# KiCad board yddraig68k.kicad_pcb (continued)
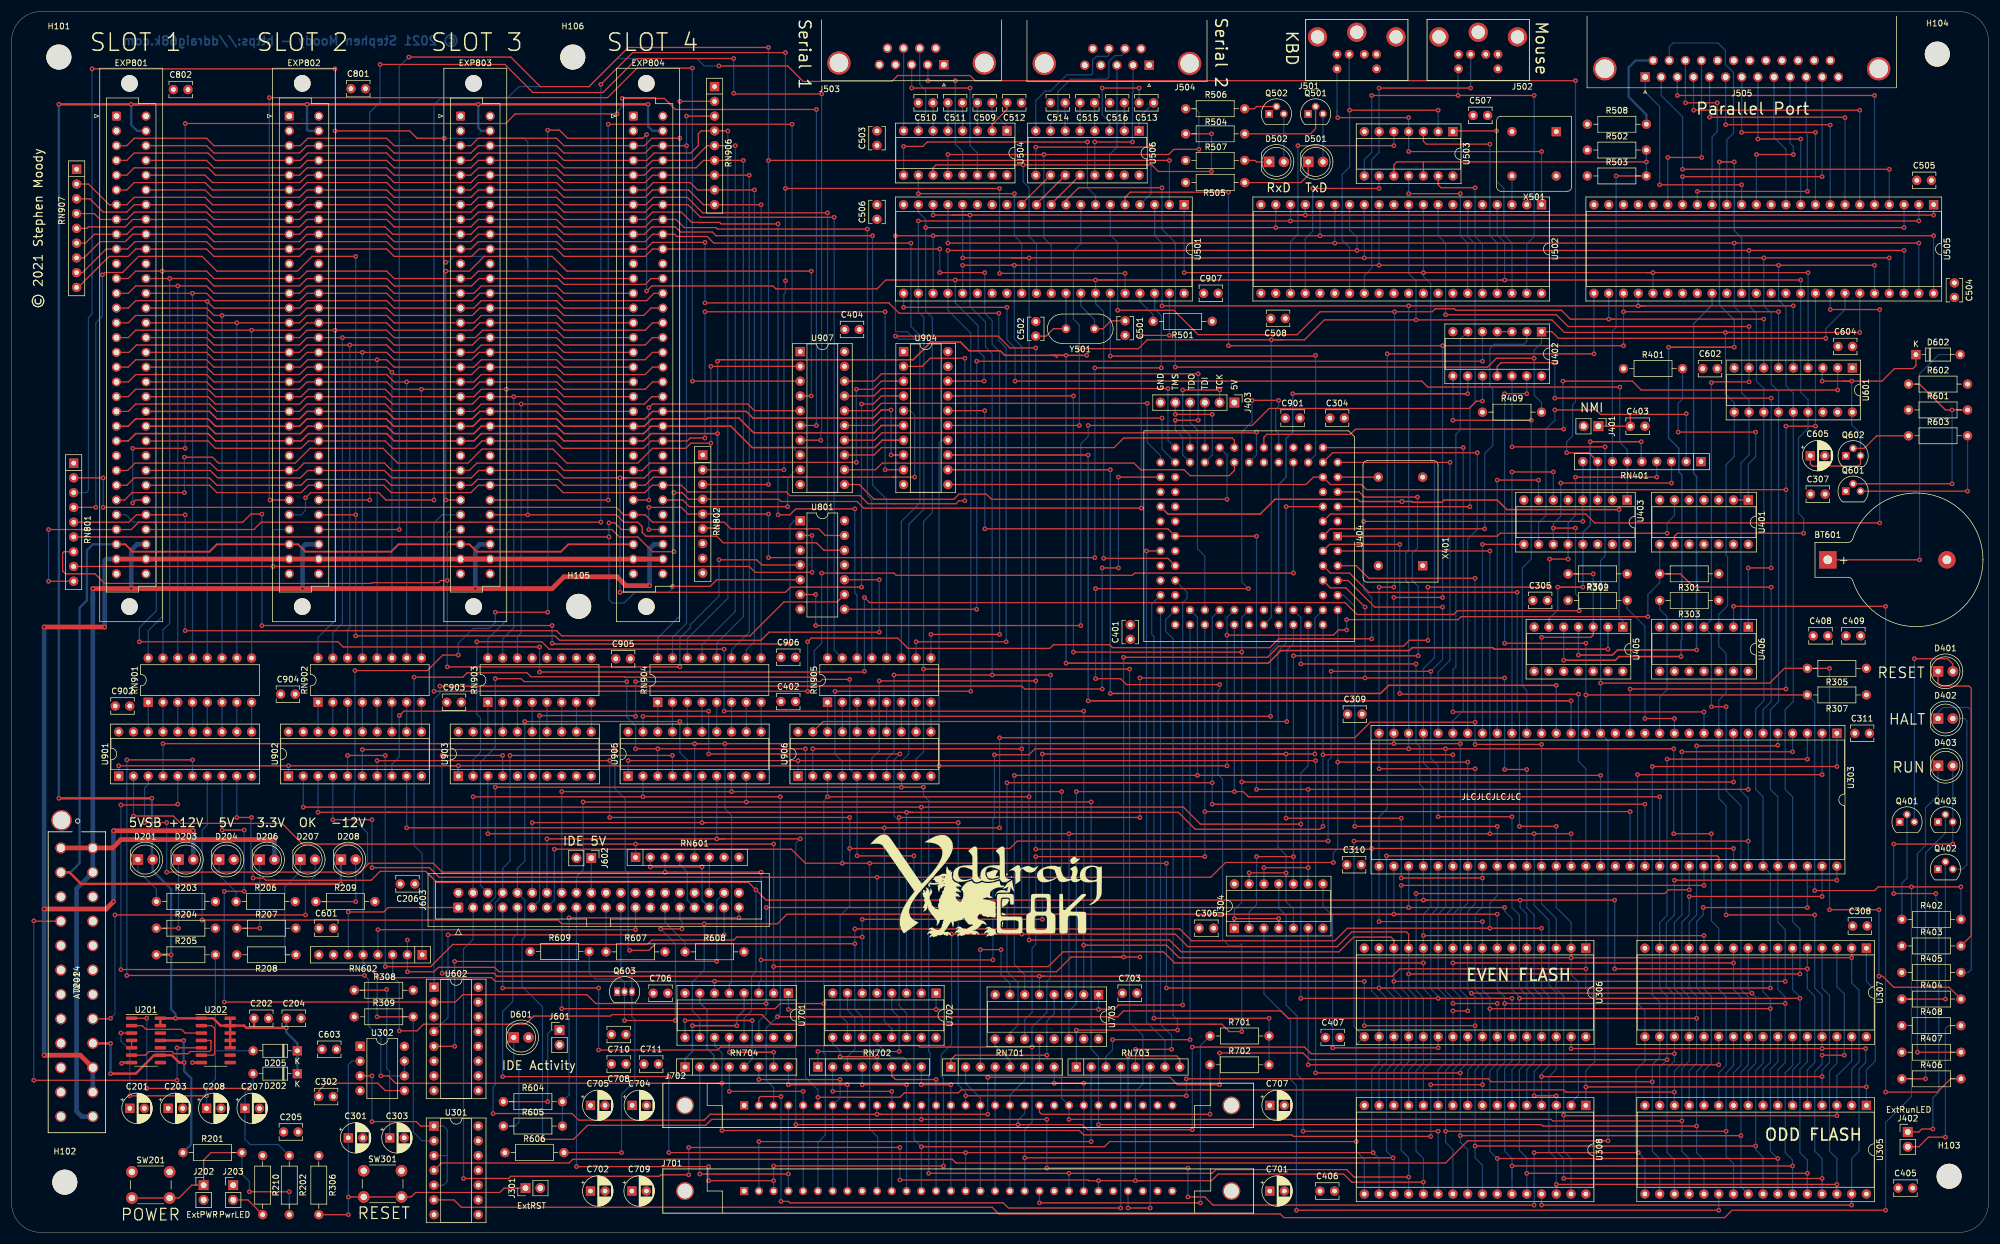
[diagram p0: board, top side]
## Nets (continued)
Net-(U502-Pad36): U502.36 U503.13
Net-(U502-Pad37): U502.37 U503.3
Net-(U502-Pad38): U502.38 U503.1
Net-(U505-Pad20): U505.20
Net-(U505-Pad21): U505.21
Net-(U505-Pad22): U505.22
Net-(U505-Pad23): U505.23
Net-(U505-Pad24): U505.24
Net-(U505-Pad30): U505.30
Net-(U505-Pad31): U505.31
Net-(U505-Pad32): U505.32
Net-(U505-Pad34): U505.34
Net-(U505-Pad36): U505.36
Net-(U505-Pad37): U505.37
Net-(U601-Pad1): U601.1
Net-(U601-Pad16): U601.16
Net-(U601-Pad17): U601.17
Net-(U602-Pad6): U602.6
Net-(U602-Pad7): U602.7
Net-(U602-Pad9): U602.9
Net-(U602-Pad10): U602.10
Net-(U602-Pad11): U602.11
Net-(U602-Pad12): U602.12
Net-(X401-Pad1): X401.1

Pads without a net: J201 25; J701 31 32; J702 31 32; U801 3 11

## Via types
v1: diameter 0.8, hole 0.4, Top to Bottom, 1046 vias

## Routing (per net, layer and track width the routed paths; a pad name or vN(x,y) marks a point on that pad's centre or on a via; arc(x,y) is an arc through that point)
+3V3: length 271.3
  Top w0.8: J201.13 J201.1 17.36,66.13 18.8,67.56 v1(45.21,67.56) ; v1(13.97,110.74) v1(20.57,110.74) v1(50.04,110.74) v1(79.76,110.74) 92.96,110.74 95,112.78 104.14,112.78 105.66,111.25 v1(109.73,111.25)
  Bottom w0.8: v1(20.57,110.74) 20.57,117.35 21.59,118.36 EXP801.C30 ; EXP802.C30 50.55,118.36 50.04,117.86 v1(50.04,110.74) ; v1(79.76,110.74) 79.76,117.6 80.52,118.36 EXP803.C30 ; 13.97,108.71 13.97,109.47 ; 13.97,108.71 J201.1 J201.2 11.18,59.14 11.18,20.83 12.07,19.93 J201.12 ; 13.97,108.71 v1(13.97,110.74) ; EXP804.C30 110.49,118.36 109.73,117.6 v1(109.73,111.25) ; v1(45.21,67.56) D206.2
+5V_SB: length 393.9
  Top w0.4: 41.78,35.18 41.7,35.27 C202.1 ; 41.78,35.18 v1(47.24,35.18) ; 41.78,35.18 40.39,35.18 40.01,35.56 U202.13 ; U202.13 U202.12 U202.11 U202.10 ; U202.13 U202.14 ; U202.13 35.94,35.56 34.67,36.83 U202.1 v1(28.19,36.83) U201.14 U201.13 ; v1(17.02,27.31) 21.34,27.31 24.51,30.48 U201.9 27.55,30.48 28.82,29.21 v1(29.69,29.21) ; J201.9 13.99,32.51 v1(17.02,32.51) ; 21.84,194.06 v1(50.8,194.06) v1(80.26,194.06) v1(109.47,194.06) ; 21.84,194.06 v1(8.13,194.06) ; 21.84,194.06 v1(20.57,194.06) ; R205.1 v1(27.43,47.75) ; v1(8.13,74.68) v1(24.13,74.68) ; U201.11 v1(29.59,33.02)
  Bottom w0.4: C204.1 47.24,36.79 v1(47.24,35.18) 47.24,34.42 49.15,32.51 D205.1 D202.1 ; EXP801.C2 21.59,189.48 20.57,190.5 v1(20.57,194.06) ; v1(29.59,33.02) 29.59,29.31 v1(29.69,29.21) 29.69,27.71 30.9,26.5 30.9,15.15 R201.1 ; v1(17.02,27.31) v1(17.02,32.51) ; EXP803.C2 80.77,189.48 80.26,189.99 v1(80.26,194.06) ; v1(8.13,194.06) v1(8.13,74.68) ; v1(24.13,74.68) 24.13,64.26 D201.2 24.26,62.23 27.43,59.06 27.43,38.35 28.19,37.59 v1(28.19,36.83) ; EXP804.C2 110.24,189.48 109.47,190.25 v1(109.47,194.06) ; EXP802.C2 51.05,189.48 50.8,189.74 v1(50.8,194.06)
+12V: length 255.5
  Top w0.8: v1(5.59,30.48) 11.82,30.48 J201.10 ; v1(5.59,104.14) v1(16,104.14) ; EXP803.C31 EXP803.A31 ; EXP803.A31 EXP802.C31 EXP802.A31 EXP801.C31 EXP801.A31 ; EXP803.A31 108.97,115.82 ; v1(5.59,55.63) 16.26,55.63 v1(17.53,56.9) ; v1(31.24,69.09) v1(17.53,69.09) ; 108.97,115.82 EXP804.C31 ; 108.97,115.82 EXP804.A31
  Bottom w0.8: v1(16,104.14) 16,115.57 16.26,115.82 EXP801.A31 ; v1(5.59,30.48) v1(5.59,55.63) v1(5.59,104.14) ; v1(17.53,69.09) v1(17.53,56.9) ; D203.2 v1(31.24,69.09) ; J201.11 J201.10
-12V: length 209
  Top w0.3: EXP801.A30 19.56,118.36 20.83,117.09 34.04,117.09 35.31,118.36 EXP802.A30 49.28,118.36 50.55,117.09 65.28,117.09 66.55,118.36 EXP803.A30 78.74,118.36 80.01,117.09 94.49,117.09 95.76,118.36 EXP804.A30
  Top w0.4: v1(56.64,59.94) 11.94,59.94 9.95,61.93 J201.14
  Bottom w0.4: v1(56.64,59.94) D208.1 ; J201.14 10.11,61.93 11.68,63.5 11.68,107.44 12.95,108.71 12.95,117.35 13.97,118.36 EXP801.A30
GND: length 3.3
  Top w0.4: v1(18.92,29.08) 19.05,29.21 U201.7 ; U202.7 31.11,29.21 v1(31.1,29.2)
/CPU, RAM and ROM/A1: length 638.7
  Top w0.203: v1(131.06,66.8) v1(107.31,66.8) 50.04,66.8 46.48,70.36 29.08,70.36 27.81,71.63 v1(20.95,71.63) ; v1(131.06,45.72) 178.31,45.72 180.85,48.26 197.36,48.26 ; 281.31,165.1 v1(282.32,165.1) ; 281.31,165.1 v1(308.99,165.1) ; 281.31,165.1 v1(242.82,165.1) v1(201.68,165.1) ; v1(291.08,51.05) v1(242.82,51.05) ; v1(242.82,46.35) 200.02,46.35 198.12,48.26 197.36,48.26 ; 197.36,48.26 197.74,48.26
  Bottom w0.203: 242.82,50.42 v1(242.82,51.05) ; 242.82,50.42 U306.12 v1(242.82,46.35) 242.82,41.91 244.09,40.64 244.09,29.21 242.82,27.94 242.82,22.35 ; 242.82,50.42 242.82,54.74 244.09,56.01 244.09,79.5 242.82,80.77 U303.29 242.82,96.96 244.73,98.87 244.73,132.21 244.09,132.84 244.09,163.19 242.82,164.47 v1(242.82,165.1) U502.9 ; v1(282.32,165.1) U505.29 ; v1(308.99,165.1) 308.99,148.84 308.86,148.72 ; v1(131.06,66.8) 131.06,45.21 ; v1(291.08,51.05) U307.12 291.08,41.85 292.35,40.58 292.35,29.08 291.08,27.81 U305.12 ; v1(107.31,66.8) RN601.1 ; v1(201.68,165.1) U501.1 ; U701.2 131.06,45.21 ; 131.06,45.21 v1(131.06,45.72) ; v1(20.95,71.63) U901.2
/CPU, RAM and ROM/A2: length 689.1
  Top w0.203: 280.92,159.38 v1(240.28,159.38) v1(197.87,159.38) ; 280.92,159.38 v1(279.78,159.38) ; 280.92,159.38 v1(306.45,159.38) ; v1(128.91,61.98) v1(112.4,61.98) 74.04,61.98 72.52,63.5 61.47,63.5 59.94,61.98 v1(26.67,61.98) ; v1(169.04,82.17) 175.01,82.17 176.02,83.19 v1(240.28,83.19) v1(246.63,83.19) v1(285.88,83.19) ; v1(168.78,46.86) v1(128.91,46.86) ; v1(285.88,68.58) v1(292.35,68.58) ; v1(26.67,70.49) v1(22.86,70.49)
  Bottom w0.203: v1(169.04,82.17) 169.04,71.37 168.78,71.12 v1(168.78,46.86) ; 245.36,22.35 245.36,27.94 246.63,29.21 246.63,40.64 245.36,41.91 U306.11 245.36,54.74 246.63,56.01 v1(246.63,83.19) ; v1(240.28,83.19) U303.30 240.28,111.63 239.78,112.14 239.78,116.84 240.28,117.35 v1(240.28,159.38) ; RN601.3 v1(112.4,61.98) ; U701.3 128.52,42.93 128.91,43.31 v1(128.91,46.86) v1(128.91,61.98) ; v1(292.35,68.58) 292.35,53.59 293.62,52.32 U307.11 293.62,41.78 294.89,40.51 294.89,28.7 293.62,27.43 U305.11 ; v1(26.67,61.98) v1(26.67,70.49) ; v1(285.88,83.19) v1(285.88,68.58) ; U501.3 196.6,171.45 197.87,170.18 v1(197.87,159.38) ; v1(306.45,159.38) 306.45,148.72 ; U901.3 23.49,77.09 22.86,76.45 v1(22.86,70.49) ; U505.28 v1(279.78,159.38)
/CPU, RAM and ROM/A3: length 670.4
  Top w0.203: v1(296.16,46.35) v1(247.9,46.35) ; 119.63,84.07 v1(122.68,84.07) v1(237.74,84.07) v1(249.17,84.07) ; 119.63,84.07 v1(26.03,84.07) ; 119.63,84.07 v1(117.47,84.07) ; v1(237.74,109.22) v1(246.13,109.22) ; v1(303.91,158.37) v1(277.24,158.37) ; U501.5 191.52,178.05 192.41,178.94 v1(209.3,178.94) ; v1(209.3,152.53) v1(246.13,152.53) v1(277.24,152.53)
  Bottom w0.203: U601.6 v1(303.91,158.37) ; v1(26.03,84.07) U901.4 ; v1(277.24,152.53) v1(277.24,158.37) U505.27 ; 296.16,45.59 U307.10 ; 296.16,45.59 v1(296.16,46.35) ; 296.16,45.59 296.16,41.78 297.43,40.51 297.43,28.7 296.16,27.43 U305.10 ; v1(122.68,84.07) 122.68,72.9 123.83,71.75 123.83,43.05 123.44,42.67 U701.5 ; v1(209.3,152.53) v1(209.3,178.94) ; RN601.5 v1(117.47,84.07) ; v1(246.13,109.22) v1(246.13,152.53) ; v1(249.17,84.07) 249.17,56.01 247.9,54.74 U306.10 v1(247.9,46.35) 247.9,41.78 249.17,40.51 249.17,29.21 247.9,27.94 247.9,22.35 ; v1(237.74,84.07) U303.31 v1(237.74,109.22)
/CPU, RAM and ROM/A4: length 669.3
  Top w0.203: 121.92,43.18 83.19,43.18 82.55,43.81 63.12,43.81 61.72,45.21 v1(18.8,45.21) ; 121.92,43.18 v1(120.9,43.18) ; 121.92,43.18 v1(232.66,43.18) ; v1(274.7,157.1) 275.59,157.1 ; 275.59,157.1 v1(301.37,157.1) ; 275.59,157.1 268.1,157.1 266.57,158.62 248.41,158.62 248.16,158.88 244.86,158.88 244.35,158.37 v1(237.87,158.37) 225.04,158.37 221.11,154.43 204.09,154.43 199.9,158.62 v1(190.25,158.62) ; v1(28.57,73.66) 28.45,73.53 v1(18.8,73.53) ; v1(251.08,41.15) v1(299.34,41.15) ; v1(251.71,79.76) v1(235.2,79.76) ; v1(232.66,35.56) v1(251.71,35.56) ; v1(235.2,111) v1(237.74,111)
  Bottom w0.203: v1(235.2,79.76) U303.32 v1(235.2,111) ; U505.26 v1(274.7,157.1) ; U501.6 188.98,171.58 190.25,170.31 v1(190.25,158.62) ; U307.9 298.7,41.78 v1(299.34,41.15) 299.97,40.51 299.97,29.08 298.7,27.81 U305.9 ; v1(232.66,43.18) v1(232.66,35.56) ; 237.86,149.11 237.86,111.12 v1(237.74,111) ; 237.86,149.11 237.86,158.36 v1(237.87,158.37) ; 237.86,149.11 237.86,149.22 ; 251.71,40.51 250.44,41.78 U306.9 250.44,55.25 251.71,56.51 v1(251.71,79.76) ; 251.71,40.51 v1(251.08,41.15) ; 251.71,40.51 v1(251.71,35.56) 251.71,29.21 250.44,27.94 250.44,22.35 ; U701.6 v1(120.9,43.18) ; v1(301.37,157.1) U601.7 ; v1(18.8,45.21) v1(18.8,73.53) ; v1(28.57,73.66) U901.5
/CPU, RAM and ROM/A5: length 598
  Top w0.203: v1(19.81,81.28) v1(31.12,81.28) ; v1(254.25,38.48) v1(302.51,38.48) ; v1(272.16,151.13) v1(236.6,151.13) ; v1(63.5,26.92) 64.77,26.92 66.04,25.65 v1(122.17,25.65) ; v1(122.17,17.53) 183.64,17.53 184.4,16.76 220.22,16.76 220.47,16.51 v1(244.09,16.51) ; v1(252.98,25.4) v1(244.09,25.4) ; v1(235.2,53.47) v1(252.98,53.47) ; v1(60.71,44.2) v1(19.81,44.2)
  Bottom w0.203: 252.98,22.35 v1(252.98,25.4) 252.98,27.88 254.25,29.15 254.25,37.97 ; v1(235.2,53.47) U303.33 235.2,71.5 236.6,72.9 v1(236.6,151.13) ; 254.25,37.97 v1(254.25,38.48) ; 254.25,37.97 254.25,40.39 252.98,41.66 U306.8 v1(252.98,53.47) ; U505.25 v1(272.16,151.13) ; U701.11 120.9,32.13 122.17,30.86 122.17,25.02 ; 122.17,25.02 v1(122.17,17.53) ; 122.17,25.02 v1(122.17,25.65) ; v1(63.5,26.92) 63.5,33.4 61.34,35.56 61.34,43.56 v1(60.71,44.2) ; v1(19.81,81.28) v1(19.81,44.2) ; U307.8 301.24,41.4 302.51,40.13 v1(302.51,38.48) 302.51,29.27 301.24,28 U305.8 ; v1(31.12,81.28) U901.6 ; v1(244.09,25.4) v1(244.09,16.51)
/CPU, RAM and ROM/A6: length 390.4
  Top w0.203: v1(237.74,54.74) 238.76,54.74 ; 238.76,54.74 v1(255.52,54.74) ; 238.76,54.74 133.35,54.74 131.7,53.09 120.14,53.09 ; 120.14,53.09 94.62,53.09 93.98,53.72 v1(32.77,53.72) ; 120.14,53.09 v1(119.13,53.09) ; v1(256.79,39.37) v1(305.05,39.37)
  Bottom w0.203: U701.10 118.36,36.83 117.09,38.1 117.09,43.05 119.13,45.09 v1(119.13,53.09) ; 256.79,38.86 256.79,29.21 255.52,27.94 255.52,22.35 ; 256.79,38.86 v1(256.79,39.37) ; 256.79,38.86 256.79,40.51 255.52,41.78 U306.7 v1(255.52,54.74) ; U307.7 303.78,41.78 305.05,40.51 v1(305.05,39.37) 305.05,29.21 303.78,27.94 U305.7 ; v1(32.77,53.72) 32.77,69.22 33.65,70.1 U901.7 ; U303.34 v1(237.74,54.74)
/CPU, RAM and ROM/A7: length 410.3
  Top w0.203: v1(259.33,40.26) v1(307.59,40.26) ; 241.05,55.88 v1(129.79,55.88) ; 241.05,55.88 v1(256.79,55.88) ; 241.05,55.88 v1(240.28,55.88) ; v1(36.58,58.67) v1(40.01,58.67) ; v1(36.2,69.22) v1(40.01,69.22) ; v1(36.58,39.62) U602.2 76.33,39.62 77.6,40.89 98.93,40.89 100.46,39.37 v1(129.79,39.37)
  Bottom w0.203: 259.33,39.62 v1(259.33,40.26) ; 259.33,39.62 259.33,29.27 258.06,28 258.06,22.35 ; 259.33,39.62 259.33,40.51 258.06,41.78 U306.6 258.06,53.97 256.79,55.25 v1(256.79,55.88) ; U307.6 306.32,41.78 307.59,40.51 v1(307.59,40.26) 307.59,29.21 306.32,27.94 U305.6 ; U701.14 128.52,36.32 129.79,37.59 v1(129.79,39.37) v1(129.79,55.88) ; v1(36.58,39.62) v1(36.58,58.67) ; v1(40.01,58.67) v1(40.01,69.22) ; v1(36.2,69.22) U901.8 ; U303.35 v1(240.28,55.88)
/CPU, RAM and ROM/A8: length 466.4
  Top w0.203: v1(275.72,57.15) v1(259.46,57.15) 243.59,57.15 ; v1(242.82,57.15) 243.59,57.15 ; 243.59,57.15 129.79,57.15 v1(128.02,58.93) 126.75,60.2 73.15,60.2 72.26,61.09 ; 72.26,61.09 72.01,61.34 ; 72.26,61.09 71.25,62.1 63.37,62.1 61.84,60.57 45.22,60.57 45.21,60.58 43.69,60.58 43.31,60.96 v1(41.53,60.96) ; v1(241.55,97.79) v1(221.74,97.79) ; v1(38.73,71.37) v1(41.28,71.37) ; v1(308.86,45.34) v1(275.72,45.34)
  Bottom w0.203: 308.86,43.81 308.86,41.91 310.13,40.64 310.13,29.21 308.86,27.94 U305.5 ; 308.86,43.81 U307.5 ; 308.86,43.81 v1(308.86,45.34) ; v1(41.28,71.37) 41.15,71.25 41.15,62.1 41.53,61.72 v1(41.53,60.96) ; v1(241.55,97.79) 241.55,84.2 242.19,83.57 242.19,77.09 242.82,76.45 U303.36 v1(242.82,57.15) ; U404.71 221.74,105.79 v1(221.74,97.79) ; v1(128.02,58.93) 128.02,44.83 127.25,44.07 127.25,38.1 125.98,36.83 U701.13 ; U901.9 38.73,71.37 v1(38.73,71.37) ; v1(275.72,45.34) v1(275.72,57.15) ; 260.6,22.35 260.6,28 261.87,29.27 261.87,40.64 260.6,41.91 U306.5 260.6,54.74 259.46,55.88 v1(259.46,57.15)
/CPU, RAM and ROM/A9: length 447.6
  Top w0.203: v1(258.06,11.43) v1(306.32,11.43) ; v1(221.74,70.23) 204.47,70.23 201.55,73.15 v1(156.46,73.15) v1(50.16,73.15) ; v1(221.74,40.26) v1(245.36,40.26) v1(258.06,40.26)
  Bottom w0.203: 258.06,9.4 258.06,12.7 256.79,13.97 256.79,28.19 258.06,29.46 U306.27 v1(258.06,40.26) ; 258.06,9.4 v1(258.06,11.43) ; 258.06,9.4 258.06,7.11 ; v1(245.36,40.26) 245.36,40.64 244.09,41.91 244.09,54.61 245.36,55.88 U303.37 ; U902.2 v1(50.16,73.15) ; U702.2 v1(156.46,73.15) ; U307.27 306.32,28.7 305.05,27.43 305.05,13.72 306.32,12.45 v1(306.32,11.43) U305.27 ; U404.72 223.01,80.26 221.74,78.99 v1(221.74,70.23) v1(221.74,40.26)
/CPU, RAM and ROM/A10: length 431.4
  Top w0.203: v1(247.9,39.37) v1(255.52,39.37) ; 154.94,72.26 v1(153.92,72.26) ; 154.94,72.26 65.15,72.26 ; 154.94,72.26 200.66,72.26 203.58,69.34 225.04,69.34 v1(225.55,69.85) ; 65.15,72.26 64.64,72.26 ; 65.15,72.26 v1(52.7,72.26) ; v1(247.9,82.17) v1(225.55,82.17) ; v1(303.78,12.7) v1(255.52,12.7)
  Bottom w0.203: v1(247.9,39.37) 247.9,40.26 246.63,41.53 246.63,54.61 247.9,55.88 U303.38 v1(247.9,82.17) ; U305.26 v1(303.78,12.7) 302.51,13.97 302.51,28.07 303.78,29.34 U307.26 ; v1(225.55,69.85) v1(225.55,82.17) U404.74 ; v1(52.7,72.26) U902.3 ; U702.3 v1(153.92,72.26) ; 255.52,7.11 255.65,7.24 255.65,12.57 v1(255.52,12.7) 254.25,13.97 254.25,27.81 255.52,29.08 U306.26 v1(255.52,39.37)
/CPU, RAM and ROM/A11: length 433.2
  Top w0.203: v1(55.24,70.99) 61.98,70.99 v1(61.98,70.99) ; v1(61.98,62.74) 71.88,62.74 73.53,61.09 v1(148.84,61.09) 206.25,61.09 208.79,63.63 v1(227.33,63.63) ; v1(250.44,80.9) v1(228.09,80.9) ; v1(250.44,38.1) v1(247.9,38.1) ; v1(246.63,17.4) v1(294.89,17.4)
  Bottom w0.203: U404.75 v1(228.09,80.9) 228.09,66.04 227.33,65.28 v1(227.33,63.63) ; v1(148.84,61.09) U702.5 ; 294.89,14.6 v1(294.89,17.4) ; 294.89,14.6 294.89,13.08 296.16,11.81 U305.23 ; 294.89,14.6 294.89,27.43 296.16,28.7 U307.23 ; v1(55.24,70.99) 55.24,70.99 U902.4 ; v1(247.9,38.1) U306.23 247.9,29.08 246.63,27.81 v1(246.63,17.4) 246.63,15.49 247.9,14.22 247.9,7.11 ; v1(250.44,80.9) U303.39 250.44,56.64 249.17,55.37 249.17,41.66 250.44,40.39 v1(250.44,38.1) ; v1(61.98,70.99) v1(61.98,62.74)
/CPU, RAM and ROM/A12: length 467.1
  Top w0.203: v1(146.3,53.85) v1(177.29,53.85) ; v1(251.71,14.86) v1(299.97,14.86) ; v1(64.26,82.04) v1(57.78,82.04) ; v1(64.26,45.72) 72.07,45.72 75.88,49.53 109.35,49.53 110.11,50.29 124.21,50.29 124.71,50.8 v1(146.3,50.8) ; 216.92,82.3 v1(219.2,82.3) ; 216.92,82.3 v1(177.29,82.3) ; 216.92,82.3 v1(224.16,82.3) ; v1(252.98,60.96) v1(239.01,60.96) ; v1(219.2,71.25) v1(239.01,71.25)
  Bottom w0.203: 252.98,7.11 252.98,11.56 251.71,12.83 v1(251.71,14.86) 251.71,27.94 252.98,29.21 U306.25 252.98,40.51 251.71,41.78 251.71,54.74 252.98,56.01 252.98,61.47 ; v1(57.78,82.04) U902.5 ; U305.25 301.24,12.95 299.97,14.22 v1(299.97,14.86) 299.97,27.81 301.24,29.08 U307.25 ; v1(64.26,82.04) v1(64.26,45.72) ; v1(219.2,82.3) v1(219.2,71.25) ; U702.6 v1(146.3,50.8) v1(146.3,53.85) ; v1(239.01,60.96) v1(239.01,71.25) ; U404.76 224.16,105.66 v1(224.16,82.3) ; v1(177.29,53.85) v1(177.29,82.3) ; 252.98,61.47 v1(252.98,60.96) ; 252.98,61.47 U303.40
/CPU, RAM and ROM/A13: length 454.4
  Top w0.203: 109.98,48.9 110.74,49.66 ; 109.98,48.9 109.6,48.51 v1(106.3,48.51) ; 109.98,48.9 110.74,49.66 ; 110.74,49.66 v1(145.03,49.66) ; v1(103.76,83.06) v1(60.32,83.06) ; v1(255.52,69.85) v1(231.01,69.85) ; v1(145.03,52.2) 200.91,52.2 202.95,50.16 227.58,50.16 229.74,52.32 v1(254.25,52.32) v1(263.14,52.32) ; v1(263.14,26.8) v1(311.4,26.8)
  Bottom w0.203: v1(263.14,52.32) U306.4 263.14,41.91 264.41,40.64 264.41,28.63 263.14,27.36 v1(263.14,26.8) 263.14,22.35 ; v1(145.03,52.2) v1(145.03,49.66) 145.03,38.35 146.3,37.08 U702.11 ; U307.4 311.4,42.04 312.67,40.77 312.67,29.21 311.4,27.94 v1(311.4,26.8) U305.4 ; v1(255.52,69.85) U303.41 255.52,57.91 254.25,56.64 v1(254.25,52.32) ; v1(103.76,83.06) 103.76,76.33 105.54,74.55 105.54,62.36 106.05,61.85 106.05,48.77 v1(106.3,48.51) ; U404.77 229.11,109.6 231.01,107.7 v1(231.01,69.85) ; v1(60.32,83.06) U902.6
/CPU, RAM and ROM/A14: length 480.6
  Top w0.203: v1(226.44,67.31) 172.97,67.31 171.7,66.04 v1(144.15,66.04) ; v1(308.86,10.16) v1(260.6,10.16) ; v1(144.15,71.37) v1(102.87,71.37) ; U404.79 229.87,112.14 234.44,107.57 v1(246.13,107.57) ; v1(226.95,96.52) v1(244.09,96.52) ; v1(102.87,81.15) v1(62.87,81.15) ; v1(245.36,71.5) v1(258.06,71.5)
  Bottom w0.203: 144.15,69.34 144.15,56.13 142.49,54.48 142.49,37.34 143.76,36.07 U702.10 ; 144.15,69.34 v1(144.15,66.04) ; 144.15,69.34 v1(144.15,71.37) ; v1(226.44,67.31) 226.44,81.15 226.95,81.66 v1(226.95,96.52) ; 260.6,7.11 v1(260.6,10.16) 260.6,12.83 259.33,14.1 259.33,27.94 260.6,29.21 U306.28 260.6,40.77 259.33,42.04 259.33,54.61 258.06,55.88 U303.42 v1(258.06,71.5) ; 308.86,8 v1(308.86,10.16) ; 308.86,8 308.86,12.45 307.59,13.72 307.59,28.07 308.86,29.34 U307.28 ; 308.86,8 U305.28 ; v1(245.36,71.5) 245.36,80.26 244.09,81.53 v1(244.09,96.52) 246.13,98.55 v1(246.13,107.57) ; U902.7 v1(62.87,81.15) ; v1(102.87,71.37) v1(102.87,81.15)
/CPU, RAM and ROM/A15: length 493.9
  Top w0.203: v1(119.89,89.66) 67.44,89.66 v1(66.67,88.9) ; v1(256.79,79.63) v1(260.6,79.63) ; v1(311.4,30.48) v1(315.21,30.48) ; v1(256.79,95.38) v1(232.79,95.38) v1(194.06,95.38) ; v1(152.78,82.3) v1(119.89,82.3) ; v1(261.87,23.5) v1(265.68,23.5) ; U404.80 226.82,110.87 229.48,110.87 v1(232.79,107.56) ; v1(311.4,9.27) v1(266.95,9.27) ; v1(194.06,71.37) v1(152.65,71.37)
  Bottom w0.203: v1(265.68,23.5) U308.3 265.68,13.97 266.95,12.7 v1(266.95,9.27) ; v1(315.21,30.48) 315.21,41.02 313.94,42.29 U307.3 ; v1(260.6,79.63) U303.43 260.6,55.88 261.87,54.61 261.87,41.91 263.14,40.64 U306.29 263.14,28.96 261.87,27.69 v1(261.87,23.5) ; v1(311.4,30.48) 311.4,28.96 310.13,27.69 310.13,13.97 311.4,12.7 311.4,8.25 ; U902.8 65.41,80.52 66.67,81.79 v1(66.67,88.9) ; 152.65,70.74 152.65,38.99 153.92,37.72 U702.14 ; 152.65,70.74 v1(152.65,71.37) ; 152.65,70.74 151.77,71.63 151.77,81.28 v1(152.78,82.3) ; v1(232.79,95.38) v1(232.79,107.56) ; U305.29 311.4,8.25 ; 311.4,8.25 v1(311.4,9.27) ; v1(119.89,89.66) v1(119.89,82.3) ; v1(194.06,95.38) v1(194.06,71.37) ; v1(256.79,95.38) v1(256.79,79.63)
/CPU, RAM and ROM/A16: length 452.8
  Top w0.203: v1(313.94,20.07) 267.07,20.07 v1(266.95,20.18) ; v1(251.71,112.52) 233.43,112.52 231.27,114.68 U404.81 ; v1(251.71,83.95) v1(263.14,83.95) ; v1(67.94,69.6) v1(150.11,69.6) v1(169.93,69.6) ; v1(169.93,85.09) 231.01,85.09 233.68,87.76 v1(251.71,87.76)
  Bottom w0.203: U702.13 151.38,34.8 ; 151.38,34.8 151.38,34.93 ; 151.38,34.8 151.38,35.05 150.11,36.32 v1(150.11,69.6) ; v1(251.71,112.52) v1(251.71,87.76) v1(251.71,83.95) ; 268.22,7.11 268.22,12.7 266.95,13.97 266.95,18.54 ; 266.95,18.54 266.95,40.64 265.68,41.91 U306.3 265.68,53.97 263.14,56.51 U303.44 v1(263.14,83.95) ; 266.95,18.54 v1(266.95,20.18) ; U307.31 316.48,29.46 313.94,26.92 U305.3 v1(313.94,20.07) ; v1(67.94,69.6) U902.9 ; v1(169.93,85.09) v1(169.93,69.6)
/CPU, RAM and ROM/A17: length 484.3
  Top w0.203: v1(80.01,101.6) 91.19,101.6 92.46,100.33 v1(122.56,100.33) ; U404.82 226.82,113.41 230.12,113.41 233.43,110.11 v1(258.95,110.11) ; v1(184.4,49.4) 198.63,49.4 200.79,47.24 v1(268.22,47.24) v1(316.48,47.24) ; v1(122.56,89.66) v1(184.4,89.66) ; v1(259.33,69.85) v1(265.68,69.85)
  Bottom w0.203: U903.2 79.38,81.35 80.65,82.62 80.65,86.11 ; v1(184.4,89.66) 184.4,48.77 ; 316.48,44.7 v1(316.48,47.24) ; 316.48,44.7 316.48,42.93 317.75,41.66 317.75,29.34 316.48,28.07 U305.2 ; 316.48,44.7 U307.2 ; v1(265.68,69.85) U303.45 265.68,55.88 268.22,53.34 U306.2 v1(268.22,47.24) 268.22,44.32 269.49,43.05 269.49,23.62 268.22,22.35 ; v1(80.01,101.6) 80.01,89.15 80.65,88.52 80.65,86.11 ; U703.2 184.4,48.77 ; v1(184.4,49.4) 184.4,48.77 ; 80.65,86.11 80.65,86.23 ; v1(259.33,69.85) 259.33,89.28 258.95,89.66 v1(258.95,110.11) ; v1(122.56,89.66) v1(122.56,100.33)
/CPU, RAM and ROM/A18: length 445.4
  Top w0.203: v1(268.22,68.58) v1(261.87,68.58) v1(254.25,68.58) 182.5,68.58 ; v1(313.94,8.25) v1(265.68,8.25) ; 182.5,68.58 v1(81.91,68.58) ; 182.5,68.58 v1(181.86,68.58) ; U404.83 v1(254.25,117.22)
  Bottom w0.203: v1(81.91,68.58) U903.3 ; v1(254.25,117.22) v1(254.25,68.58) ; v1(268.22,68.58) U303.46 ; U307.30 313.94,29.08 312.67,27.81 312.67,13.97 313.94,12.7 v1(313.94,8.25) U305.30 ; v1(181.86,68.58) U703.3 ; v1(261.87,68.58) 261.87,56.26 264.41,53.72 264.41,42.54 265.68,41.28 U306.30 265.68,28.07 264.41,26.8 264.41,13.97 265.68,12.7 v1(265.68,8.25) 265.68,7.11
/CPU, RAM and ROM/A19: length 472.9
  Top w0.203: v1(84.46,82.04) 74.04,82.04 v1(74.04,82.04) ; v1(270.76,45.34) 238.76,45.34 237.49,44.07 177.67,44.07 ; v1(74.04,44.58) 82.93,44.58 83.44,44.07 177.67,44.07 ; v1(238.76,118.36) 226.69,118.36 U404.84 ; v1(238.76,92.71) 238.89,92.58 v1(269.49,92.58) ; 177.67,44.07 v1(176.78,44.07) ; v1(270.76,25.02) v1(319.02,25.02)
  Bottom w0.203: 270.76,23.75 v1(270.76,25.02) ; 270.76,23.75 270.76,27.81 272.29,29.34 272.29,40.39 270.76,41.91 v1(270.76,45.34) U306.1 U303.47 270.76,79.76 269.49,81.03 v1(269.49,92.58) ; 270.76,23.75 270.76,22.35 ; U305.1 v1(319.02,25.02) 319.02,27.94 320.55,29.46 320.55,41.66 319.02,43.18 U307.1 ; v1(74.04,82.04) v1(74.04,44.58) ; v1(238.76,92.71) v1(238.76,118.36) ; U903.4 v1(84.46,82.04) ; U703.5 v1(176.78,44.07)
/CPU, RAM and ROM/A20: length 183.9
  Top w0.203: v1(172.47,78.61) v1(203.96,78.61) v1(273.3,78.61)
  Bottom w0.203: U303.48 v1(273.3,78.61) ; U703.6 174.24,44.32 172.47,46.1 v1(172.47,78.61) ; U404.57 203.96,105.79 v1(203.96,78.61)
/CPU, RAM and ROM/A21: length 183.7
  Top w0.203: v1(176.15,64.64) v1(205.23,64.64) ; v1(278.38,72.39) v1(205.23,72.39)
  Bottom w0.203: U303.50 v1(278.38,72.39) ; v1(205.23,64.64) v1(205.23,72.39) U404.58 ; v1(176.15,64.64) 176.15,49.53 175.51,48.9 175.51,37.85 174.24,36.58 U703.11
/CPU, RAM and ROM/A22: length 199.8
  Top w0.203: v1(171.2,77.34) v1(206.5,77.34) ; v1(280.92,73.66) v1(206.5,73.66)
  Bottom w0.203: v1(206.5,73.66) v1(206.5,77.34) 206.5,105.79 U404.61 ; v1(171.2,77.34) 171.2,44.83 173.1,42.93 173.1,35.69 171.7,34.29 U703.10 ; U303.51 v1(280.92,73.66)
/CPU, RAM and ROM/A23: length 184.4
  Top w0.203: v1(283.46,74.93) 212.73,74.93 211.84,75.82 v1(210.31,75.82) v1(183.13,75.82)
  Bottom w0.203: U303.52 v1(283.46,74.93) ; U404.62 v1(210.31,75.82) ; v1(183.13,75.82) 183.13,39.37 181.86,38.1 U703.14
/CPU, RAM and ROM/CLK10: length 253.1
  Top w0.203: U904.11 222.63,128.65 223.9,129.92 U404.10 226.82,128.65 232.16,128.65 233.05,127.76 v1(305.18,127.76) ; v1(305.18,93.47) v1(278.38,93.47) ; v1(310.26,138.68) v1(305.18,138.68)
  Bottom w0.203: v1(305.18,138.68) v1(305.18,127.76) v1(305.18,93.47) ; v1(278.38,93.47) U303.15 ; U505.40 v1(310.26,138.68)
/CPU, RAM and ROM/D0: length 368.2
  Top w0.203: v1(79.38,74.93) v1(108.59,74.93) v1(132.21,74.93) ; v1(289.81,83.69) 303.66,83.69 v1(303.78,83.82) ; v1(289.81,36.83) 219.58,36.83 218.31,38.1 191.26,38.1 190.25,37.08 v1(131.7,37.08)
  Bottom w0.203: 129.79,31.37 129.79,35.18 v1(131.7,37.08) 132.21,37.59 v1(132.21,74.93) ; 129.79,31.37 129.79,31.75 ; 129.79,31.37 129.79,26.16 131.06,24.89 J702.3 ; v1(303.78,83.82) U303.5 ; v1(289.81,83.69) 289.81,54.61 288.54,53.34 U307.13 288.54,41.91 289.81,40.64 289.81,35.05 ; U905.2 v1(108.59,74.93) ; U305.13 288.54,27.81 289.81,29.08 289.81,35.05 ; 289.81,35.05 v1(289.81,36.83) ; v1(79.38,74.93) J603.4
/CPU, RAM and ROM/D1: length 402.2
  Top w0.203: v1(136.52,83.18) v1(111.12,83.18) v1(107.31,83.19) ; v1(286,24.13) 267.33,24.13 266.95,24.51 163.32,24.51 162.81,24 153.54,24 152.78,23.24 v1(138.68,23.24) ; v1(287.27,82.68) v1(306.32,82.68) ; v1(83.19,95.25) 87.63,95.25 88.14,94.74 v1(105.79,94.74)
  Bottom w0.203: J702.6 v1(138.68,23.24) 138.68,24.51 136.53,26.67 v1(136.53,83.19) ; v1(107.31,83.19) 107.31,87.12 105.79,88.65 v1(105.79,94.74) ; v1(83.19,95.25) 83.19,83.44 80.65,80.9 80.65,59.69 J603.6 ; v1(287.27,82.68) 287.27,54.61 286,53.34 U307.14 286,41.91 287.27,40.64 287.27,29.02 286,27.75 v1(286,24.13) U305.14 ; v1(306.32,82.68) U303.4 ; 111.12,78.49 v1(111.12,83.18)
/CPU, RAM and ROM/D2: length 401.8
  Top w0.203: v1(167.89,20.32) 149.48,20.32 ; v1(85.72,82.04) v1(113.66,82.04) ; v1(167.89,26.67) 199.26,26.67 200.53,25.4 v1(207.77,25.4) ; 149.48,20.32 120.14,20.32 119.13,19.3 97.54,19.3 96.39,20.45 v1(82.8,20.45) ; 149.48,20.32 v1(148.84,20.32) ; v1(284.73,29.72) 223.27,29.72 222.12,30.86 v1(207.77,30.86) ; v1(284.73,81.41) v1(308.86,81.41)
  Bottom w0.203: U305.15 283.46,28.45 v1(284.73,29.72) 284.73,40.64 283.46,41.91 U307.15 283.46,53.28 284.73,54.55 v1(284.73,81.41) ; v1(148.84,20.32) J702.10 ; v1(113.66,82.04) 113.66,78.49 ; v1(207.77,30.86) v1(207.77,25.4) ; v1(82.8,20.45) 82.8,25.02 83.19,25.4 83.19,56.71 84.46,57.98 J603.8 84.46,62.61 85.72,63.88 v1(85.72,82.04) ; v1(308.86,81.41) U303.3 ; v1(167.89,26.67) v1(167.89,20.32)
/CPU, RAM and ROM/D3: length 439.5
  Top w0.203: v1(178.05,11.05) v1(202.31,11.05) ; v1(114.94,87.88) v1(88.27,87.88) ; v1(261.87,13.72) v1(279.78,13.72) ; v1(202.31,6.1) 205.23,6.1 206.63,4.7 v1(261.87,4.7) ; v1(279.65,78.74) v1(311.4,78.74) ; v1(91.31,16) 96.65,16 99.06,18.41 119.38,18.41 120.4,19.43 v1(156.46,19.43) v1(178.05,19.43)